# Altium PCB FIRE ARLARM_DEV.PcbDoc (part 1 of 2)
Units mil, origin at the board's own origin, x right, y up, seen from the top; angles counter-clockwise.
Board outline 3937.01 x 3937.01 mil, 2 copper layers (Top Layer, Bottom Layer); 111 components, 71 nets, 342 pads, 422 vias.
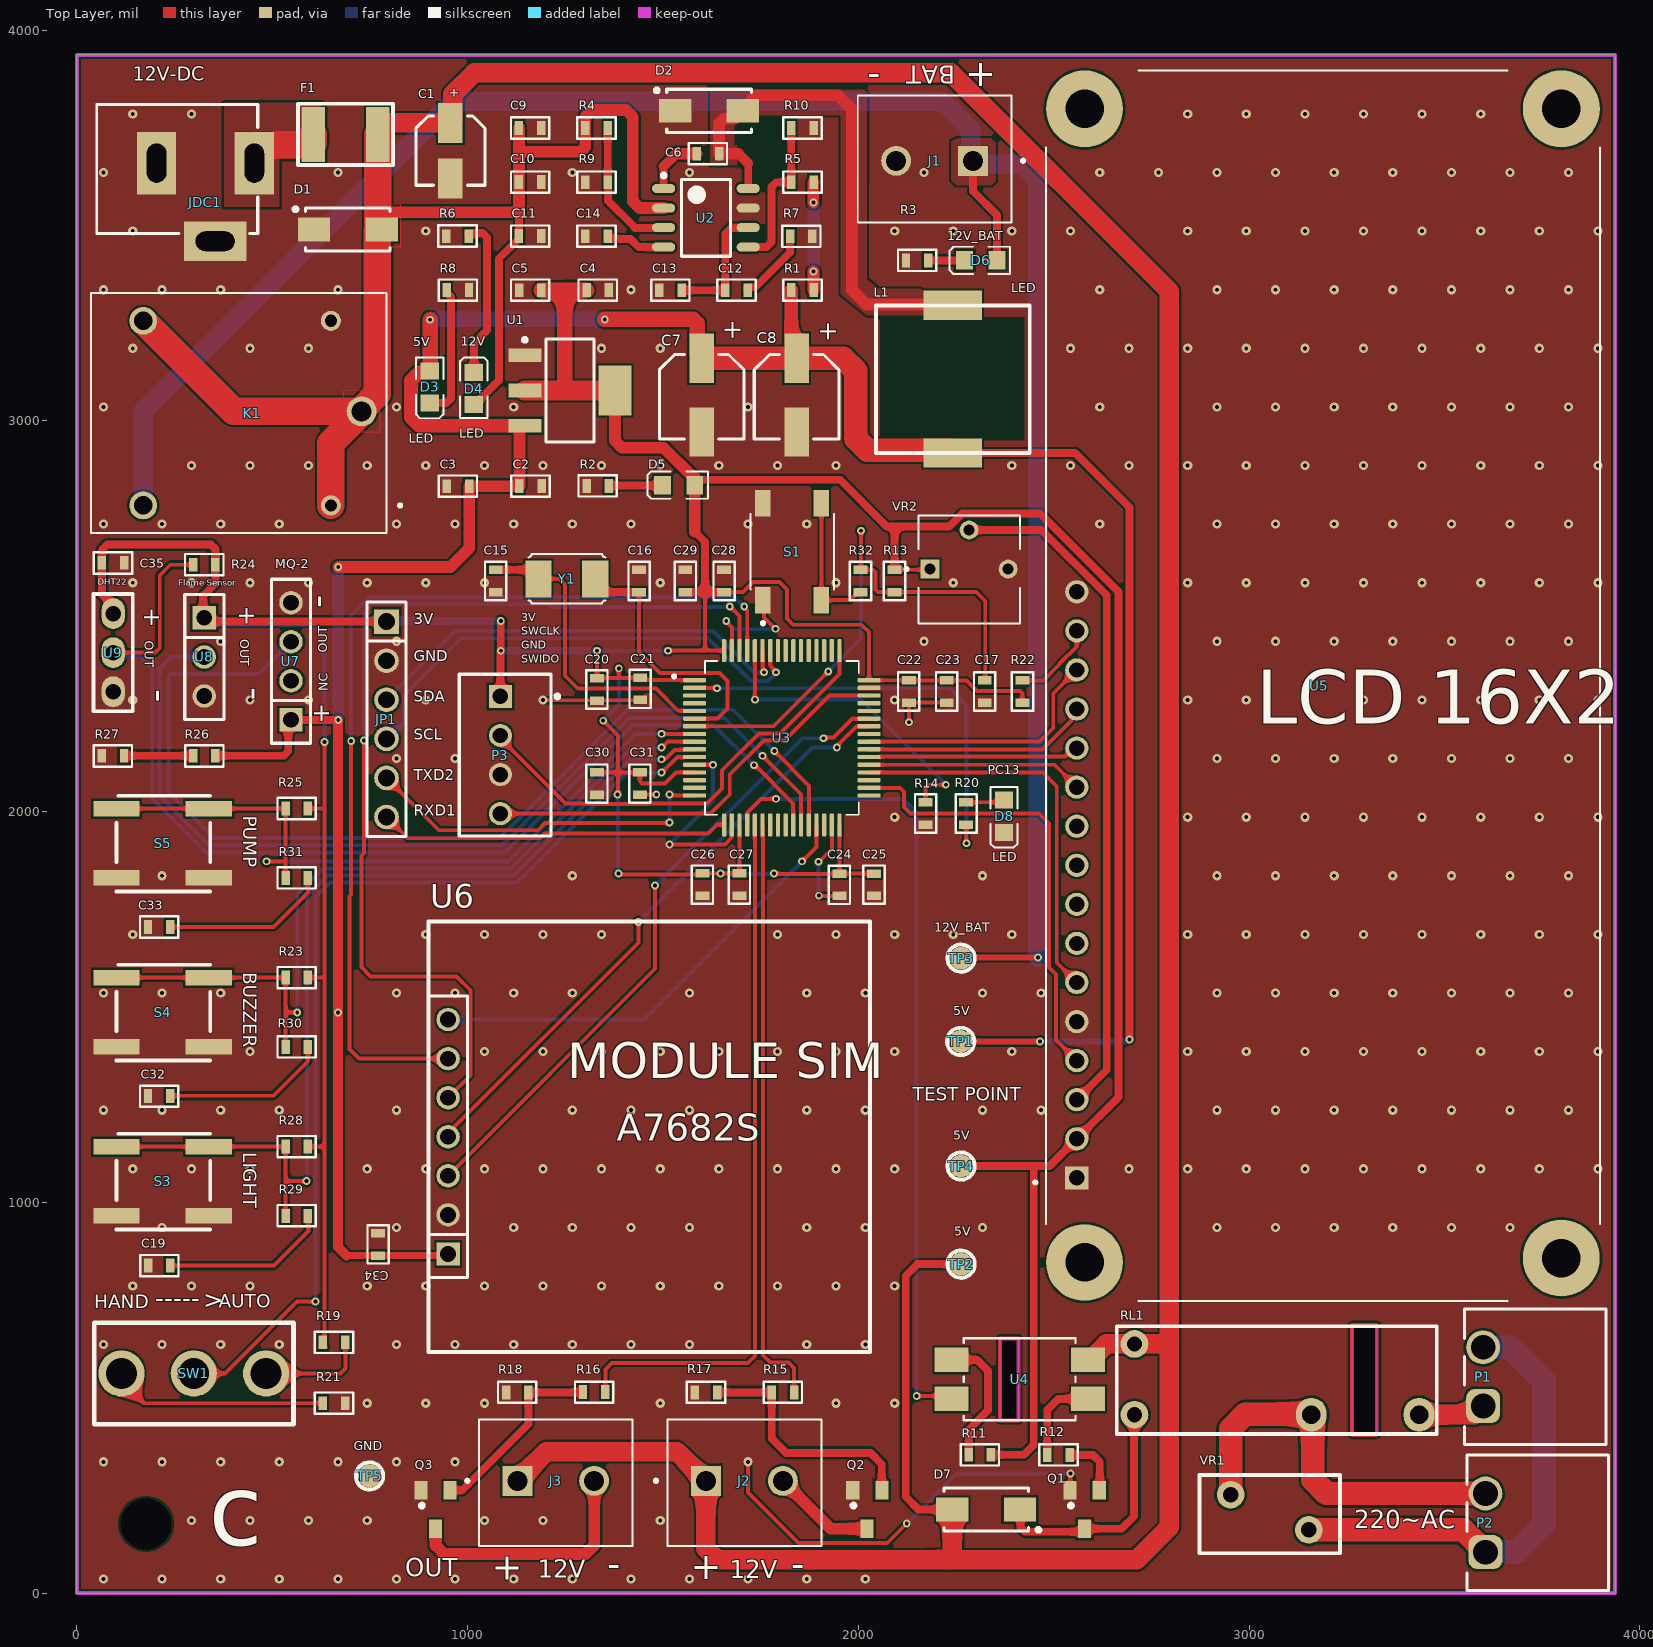
[diagram p0: Top Layer view]
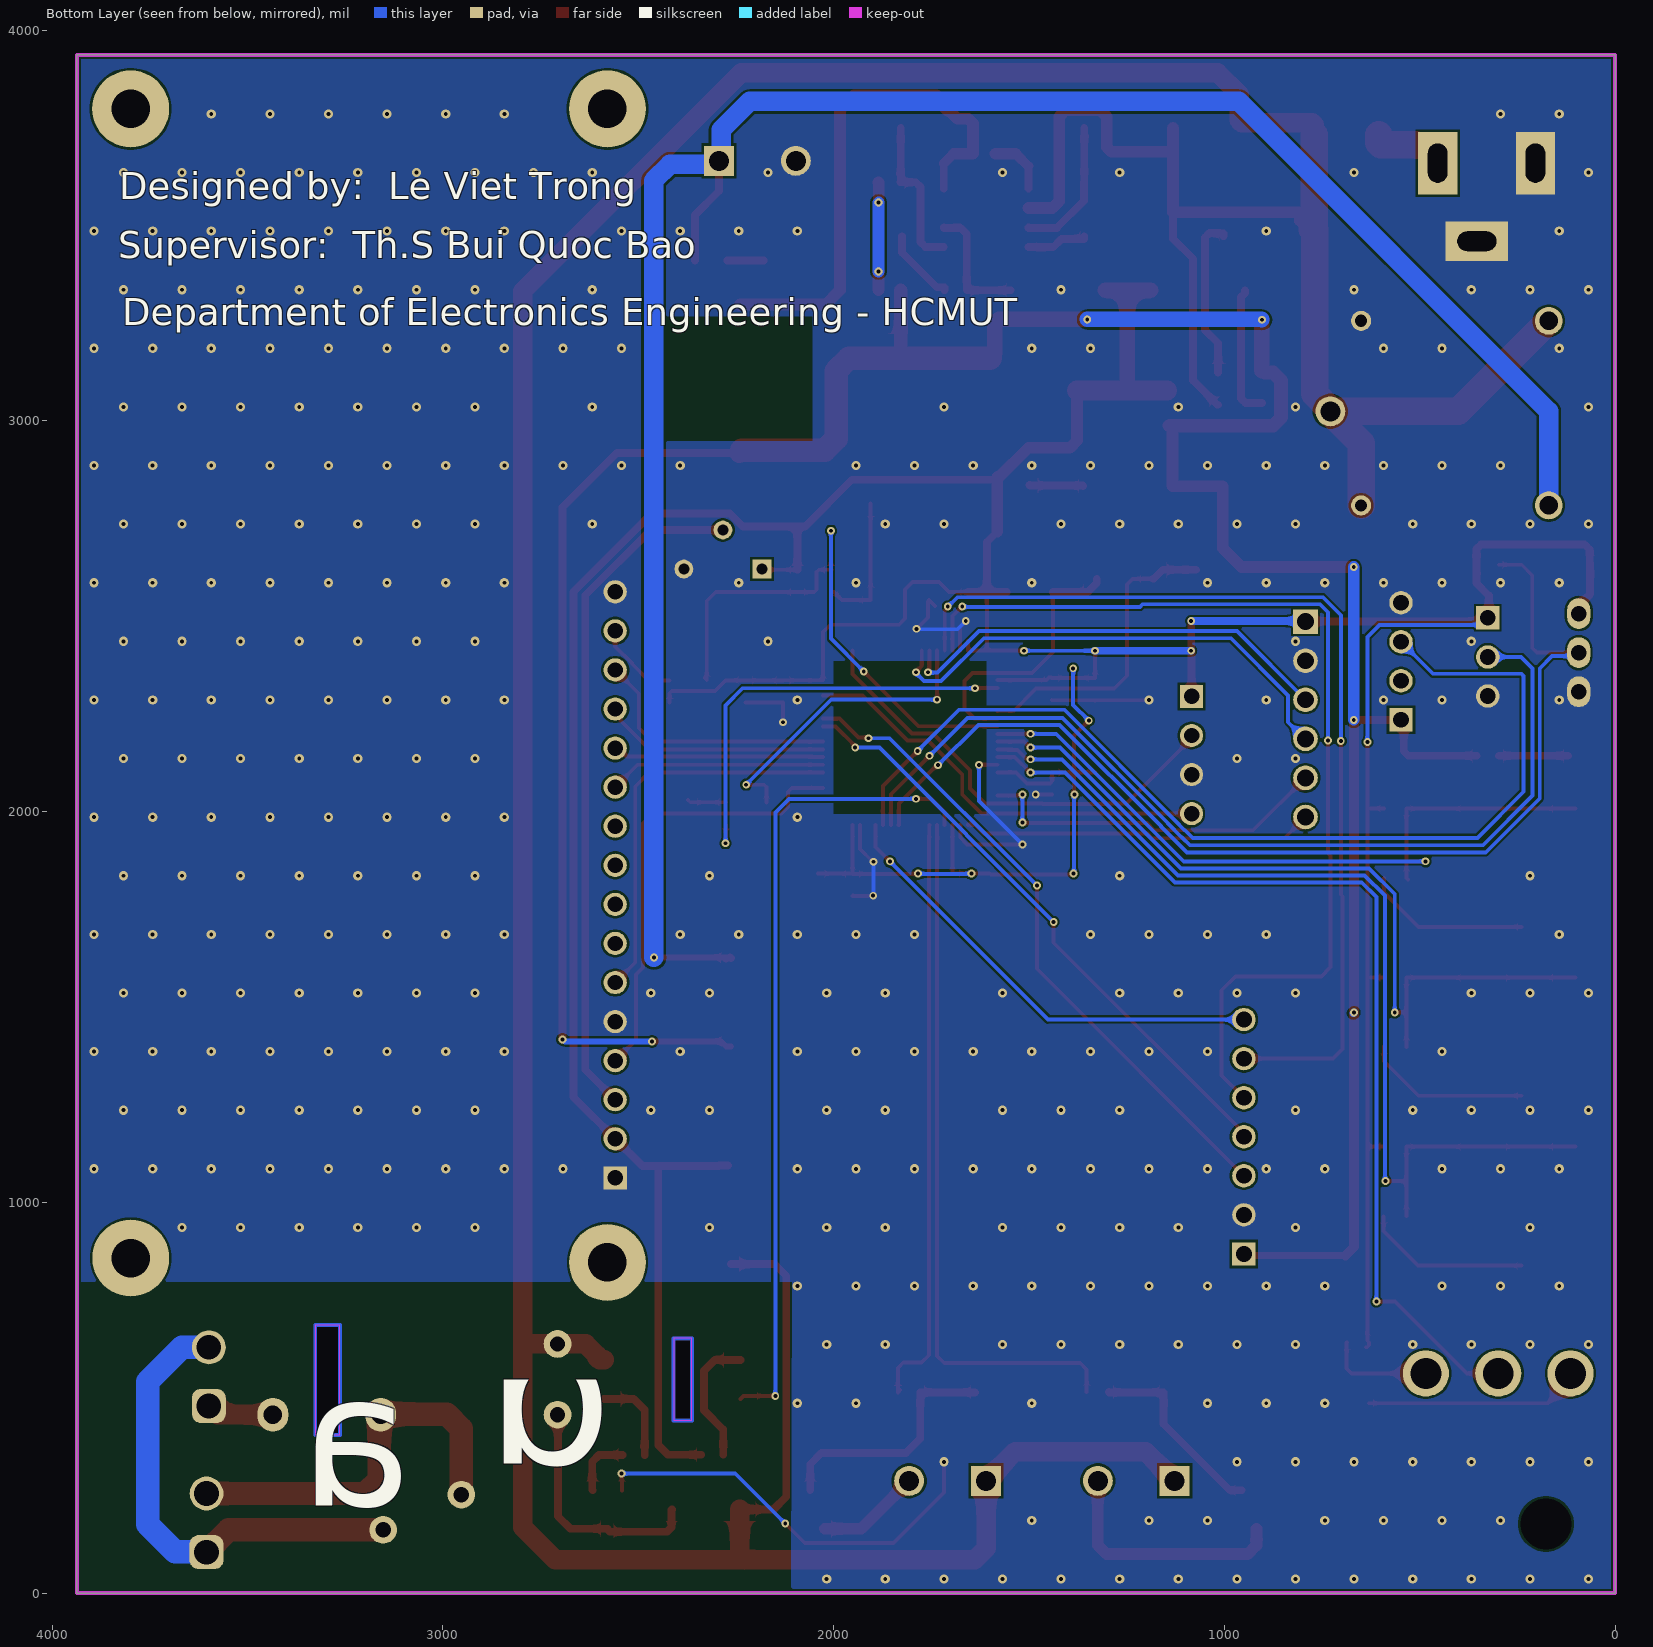
[diagram p1: Bottom Layer view, seen from below]

## Layer stack, top to bottom
Top Solder: solder mask 0.4, Solder Resist, Dk 3.5
Top Layer: signal copper 1.4
Dielectric 1: dielectric 12.6, FR-4, Dk 4.8
Bottom Layer: signal copper 1.4
Bottom Solder: solder mask 0.4, Solder Resist, Dk 3.5

## Board outline
0,0 0,3937.01 3937.01,3937.01 3937.01,0
cut-out: 2363,442 2363,652 2410,652 2410,442
cut-out: 3264,405 3264,686 3327,686 3327,405

## Design rules (kind name [scope] priority, off if disabled: settings)
Clearance [All] p1: gap=6 ignorepadtopadclearanceinfootprint=FALSE
PolygonConnect [InNet('GND')] p1: connectstyle=Direct reliefconductorwidth=10 reliefentries=4 polygonreliefangle="90 Angle" airgapwidth=10
RoutingVias [All] p1: holewidth=10 width=20 viastyle="Through Hole" minholewidth=10 minwidth=20 maxholewidth=10 maxwidth=20
SolderMaskExpansion [All] p1: expansion=4 istentingtop=FALSE
SupplyNets "Schematic Supply Nets_4" [InNet('+12V')] p1: voltage=0.000
SupplyNets "Schematic Supply Nets_3" [InNet('+3V3')] p2: voltage=0.000
SupplyNets "Schematic Supply Nets_2" [InNet('GND')] p3: voltage=0.000
SupplyNets "Schematic Supply Nets_1" [InNet('VBAT')] p4: voltage=0.000
SupplyNets "Schematic Supply Nets" [InNet('+5V')] p5: voltage=0.000
UnRoutedNet [All] p1: checkbadconnections=TRUE
Width [All] p1: maxlimit=80 minlimit=10 preferedwidth=20 minimp=50.000000 maximp=50.000000 favimp=50.000000
29 further rules are at their usual default settings.

## Classes and differential pairs
component class "[06] - STM": C15 C16 C17 C19 C20 C21 C22 C23 C24 C25 C26 C27 C28 C29 C30 C31 C32 C33 C34 C35 D7 D8 J2 J3 JP1 P1 P2 P3 Q1 Q2 Q3 R11 R12 R13 R14 R15 R16 R17 R18 R19 R20 R21 R22 R23 R24 R25 R26 R27 R28 R29 R30 R31 R32 RL1 S1 S3 S4 S5 SW1 U3 U4 U5 U6 U7 U8 U9 VR1 VR2 Y1
component class "[05] - POWER_SUPPY": C1 C2 C3 C4 C5 C6 C7 C8 C9 C10 C11 C12 C13 C14 D1 D2 D3 D4 D5 D6 F1 J1 JDC1 K1 L1 R1 R2 R3 R4 R5 R6 R7 R8 R9 R10 TP1 TP2 TP3 TP4 TP5 U1 U2

## Components (designator, comment, footprint, x,y, rotation, side; value= is the part's Value field where it differs from the comment)
C1 "47uF" WCAP-ASLI_D4H5.5 956,3692 r90 top
C2 "1uF" CAP_0603 1161.17,2833.56 r180 top
C3 "100nF" CAP_0603 975.21,2833 r0 top
C4 "1uF" CAP_0603 1333,3335 r180 top
C5 "100nF" CAP_0603 1160.21,3334.44 r0 top
C6 "100nF" CAP_0603 1615,3684 r0 top
C7 "47uF" WCAP-ASLI_D5H5.5 1599,3066 r90 top
C8 "47uF" WCAP-ASLI_D5H5.5 1842,3066 r90 top
C9 "10uF" CAP_0603 1160,3750 r180 top
C10 "10uF" CAP_0603 1160,3611.52 r180 top
C11 "10nF" CAP_0603 1160,3473.33 r180 top
C12 "1uF" CAP_0603 1688.11,3334.44 r0 top
C13 "47n" CAP_0603 1519,3334.44 r0 top
C14 "10nF" CAP_0603 1330.21,3472.77 r0 top
C15 "22pF" CAP_0603 1072,2590.67 r90 top
C16 "22pF" CAP_0603 1439,2590.46 r270 top
C17 "100nF" CAP_0603 2323.49,2307.54 r90 top
C19 "100nF" CAP_0603 210.76,838.44 r180 top
C20 "100nF" CAP_0603 1331,2313 r90 top
C21 "100nF" CAP_0603 1442,2314.54 r90 top
C22 "100nF" CAP_0603 2129.35,2307.54 r90 top
C23 "100nF" CAP_0603 2226.42,2307.54 r90 top
C24 "100nF" CAP_0603 1951.87,1813 r90 top
C25 "100nF" CAP_0603 2040,1813 r270 top
C26 "100nF" CAP_0603 1601,1813.46 r90 top
C27 "100nF" CAP_0603 1695.96,1813.46 r90 top
C28 "100nF" CAP_0603 1656.31,2590.46 r270 top
C29 "100nF" CAP_0603 1557,2590.46 r270 top
C30 "100nF" CAP_0603 1331,2071.92 r90 top
C31 "4.7uF" CAP_0603 1441,2071.92 r90 top
C32 "100nF" CAP_0603 210.54,1272 r180 top
C33 "100nF" CAP_0603 210.54,1705 r180 top
C34 "100nF" CAP_0603 771,892.54 r270 top
C35 "100nF" CAP_0603 92.46,2637 r180 top
D1 "D Schottky" SS34 693.37,3490 r0 top
D2 "D Schottky" SS34 1618,3794 r0 top
D3 "LED SMD" LED_0805_Blue 903,3087 r270 top
D4 "LED SMD" LED_0805_Blue 1016,3083 r90 top
D5 "LED SMD" LED_0805_Blue 1540,2836 r180 top
D6 "LED SMD" LED_0805_Blue 2313.66,3411 r180 top
D7 "SS210" SS34 2327.15,214 r180 top
D8 "LED SMD" LED_0805_Blue 2372.9,1988.56 r270 top
F1 "12V 2.5A" Fuse_SMD_1812 688,3733 r0 top
J1 "Domino" PHOENIX_1935161 2392.28,3833.32 r180 top
J2 "Buzzer" PHOENIX_1935161 1511.57,120.11 r0 top
J3 "Warning Light" PHOENIX_1935161 1028.72,120.11 r0 top
JDC1 "Jack DC" DC-IN 329,3560 r0 top value="Jac DC"
JP1 "JP 1x6 2.54" "JP 1X6 DT" 792.38,2486.43 r270 top
K1 "SRD-12VDC-SL-C" RELAY_SRD-12VDC-SL-C 410,3020 r180 top
L1 "10uH, 5.6A" WE-PD2A_5848 2242,3296 r270 top
P1 "691322310002" 691322310002 3733,554 r90 top
P2 "691322310002" 691322310002 3739,180 r90 top
P3 "Header 1" 61900411121 1095.81,2145 r90 top
Q1 "MMBTA42" SOT23B 2579.25,214 r180 top
Q2 "BC817" SOT23B 2022.79,214 r180 top
Q3 "BC817" SOT23B 918,214 r180 top
R1 "0" resistor_0603 1857,3335 r180 top
R2 "2.5k" resistor_0603 1333,2833.56 r0 top
R3 "5.6k" resistor_0603 2150.66,3411 r0 top
R4 "100k" resistor_0603 1330,3750 r180 top
R5 "8.2k" resistor_0603 1857.21,3611.11 r0 top
R6 "5.6k" resistor_0603 974,3473 r0 top
R7 "30k" resistor_0603 1854,3473 r180 top
R8 "5.6k" resistor_0603 975,3335 r180 top
R9 "20k" resistor_0603 1330.21,3611.11 r0 top
R10 "1.6k" resistor_0603 1857,3750 r180 top
R11 "220" resistor_0603 2311,354 r180 top
R12 "2.2k" resistor_0603 2512.33,353.44 r0 top
R13 "10k" resistor_0603 2093,2590.67 r90 top
R14 "10k" resistor_0603 2172,1995.17 r270 top
R15 "75" resistor_0603 1806.96,513.81 r0 top
R16 "1.2k" resistor_0603 1323.89,514.37 r180 top
R17 "10k" resistor_0603 1610.11,513.81 r0 top
R18 "10k" resistor_0603 1127,513.81 r0 top
R19 "10k" resistor_0603 658,642 r180 top
R20 "1.5k" resistor_0603 2276,1995.17 r270 top
R21 "1k" resistor_0603 658,486 r0 top
R22 "330" resistor_0603 2420,2307.33 r270 top
R23 "10k" resistor_0603 562.54,1575.67 r180 top
R24 "4.7k" resistor_0603 326.11,2632 r0 top
R25 "10k" resistor_0603 562.54,2008.28 r180 top
R26 "1k" resistor_0603 326,2143 r180 top
R27 "2k" resistor_0603 92,2143 r180 top
R28 "10k" resistor_0603 562.54,1143.06 r180 top
R29 "220" resistor_0603 562.76,965.61 r0 top
R30 "220" resistor_0603 562.76,1397.94 r0 top
R31 "220" resistor_0603 562.76,1830.55 r0 top
R32 "220" resistor_0603 2006,2590.67 r90 top
RL1 "HF46F" HF46F 3071,557 r0 top
S1 "Button SMD" BUTTON 1830.71,2665.35 r90 top
S3 "Tactile_Switch_6x6" Tactile_Switch_6x6 101.43,965.61 r0 top
S4 "Tactile_Switch_6x6" Tactile_Switch_6x6 101.43,1398.22 r0 top
S5 "Tactile_Switch_6x6" Tactile_Switch_6x6 101.43,1830.83 r0 top
SW1 "SS-12D10" "Slide Switch" 299.28,562.2 r180 top
TP1 "Test_Point" TP_2MM 2262,1412 r180 top
TP2 "Test_Point" TP_2MM 2263,842 r180 top
TP3 "Test_Point" TP_2MM 2263,1625 r180 top
TP4 "Test_Point" TP_2MM 2263,1093 r180 top
TP5 "Test_Point" TP_2MM 749,300 r180 top
U1 "AMS1117-3.3V" "AMS1117-3.3V SOT223" 1262,3078 r0 top
U2 "TPS54231D" SOIC8 1610,3520 r0 top
U3 "STM32F103RCT6" QFP50P1200X1200X160-64N 1804.23,2189.05 r0 top
U4 "PC817X2NIPW" PC817XI_SHP 2413,547 r0 top
U5 "LCD2X16" 16X2_LCD_NEW 3179.39,2322.62 r90 top
U6 "Module sim" MODULESIM_NEW 950,1168 r270 top
U7 "MQ-2 Module" JP4-C1T 548,2235 r90 top
U8 "FlameSensor_Module" JP3-C1T 326,2496 r270 top
U9 "DHT22_Module" DHT11_Module 93,2507 r180 top
VR1 "Varistor" 07D471K 3173,222 r180 top
VR2 "10k" TRIM_3362P-1-503 2283.46,2621 r0 top
Y1 "5032/2P" OSCCC500X320X135 1254,2596 r0 top

## Footprints (in the part's own frame and the unit in brackets; to place one, negate y for a bottom-side part, rotate by r counter-clockwise, add the part's x,y. Pads: shape width x height; smd on the part's side, far side on the other; paste and mask are expansions set on the pad)
07D471K [mm] "Varistor 07D471K 470V"
  round 1.8 hole 1: 1(0.508,1.524) 2(5.588,-0.762)
  silkscreen extent -1.52,-2.03 7.62,3.05, body extent -1.45,-1.99 7.55,3.01, height 12.5
16X2_LCD_NEW [mm] "HEADER"
  rect 1.508x1.508 / inner round 1.508 / far side rect 1.508x1.508 hole 1: 1(-32,15.75)
  round 1.508 hole 1: 2(-29.46,15.75) 3(-26.92,15.75) 4(-24.38,15.75) 5(-21.84,15.75) 6(-19.3,15.75) 7(-16.76,15.75) 8(-14.22,15.75) 9(-11.68,15.75) 10(-9.14,15.75) 11(-6.6,15.75) 12(-4.06,15.75) 13(-1.52,15.75) 14(1.02,15.75) 15(3.56,15.75) 16(6.1,15.75)
  round 5 hole 2.5: S1(-37.5,15.25) S2(37.5,15.25) S3(37.5,-15.75) S4(-37.211,-15.744)
  silkscreen extent -40,-18.25 40,18.55, body extent -40.25,-18.79 40,18.14, height 16.8
61900411121 [mm]
  rect 1.5x1.5 hole 1: 1(3.81,0.3)
  round 1.5 hole 1: 2(1.27,0.3) 3(-1.27,0.3) 4(-3.81,0.3)
  silkscreen extent -5.25,-3.52 5.25,2.98, body extent -5.08,-2.9 5.08,2.9, height 11.53
691322310002 [mm] "Horizontal PCB Header, pitch 3.81mm, 02p"
  rrect50% 2.2x2.2 hole 1.6: 1(-1.905,3.4)
  round 2.2 hole 1.6: 2(1.905,3.4)
  silkscreen extent -4.4,-4.6 4.41,4.6, body extent -4.4,-4.6 4.41,4.6, height 7.25
"AMS1117-3.3V SOT223" [mm] "SOT223, 4-Leads, Body 6.51x7.00mm, Pitch 2.29mm"
  rect 2.15x0.9 smd: 1(-2.93,2.29) 2(-2.93,0) 3(-2.93,-2.29)
  rect 2.15x3.25 smd: 4(2.93,0)
  silkscreen extent -3.05,-3.35 1.55,3.41, body extent -3.5,-3.35 3.5,3.35, height 1.8
BUTTON [mm] "Loai 1"
  rect 1.7x1 smd: 1(-3.15,1.9) 2(3.15,1.9) 3(-3.15,-1.9) 4(3.15,-1.9)
  silkscreen extent -4.75,-2.72 2.45,2.72, body extent -3.25,-2.54 3.25,2.54, height 1.52
CAP_0603 [mm]
  rect 0.55x0.9 smd: 1(-0.725,0) 2(0.725,0)
  silkscreen extent -1.25,-0.69 1.24,0.7, body extent -0.8,-0.45 0.8,0.45, height 0.5
DC-IN [mil]
  rect 100x160 hole 50 slot 100 at 90 deg: 1(125,100) 2(-125,100)
  rect 160x100 hole 50 slot 100 at 0 deg: 3(25,-100)
  silkscreen extent -278,-80 134,250, body extent -410,-105 134,269, height 434
DHT11_Module [mm]
  oval 1.5x2 hole 1: 1(0,0) 2(0,2.54) 3(0,5.08)
  silkscreen extent -1.27,-1.27 1.27,6.35, body extent -1.3,-1.26 1.2,6.86, height 5
Fuse_SMD_1812 [mil] "Fuse SMD, size 1812"
  rect 60x140 smd: 0(-83.41,0) 1(82,0)
  silkscreen extent -122,-78 121,79, body extent -93,-67 93,67, height 18
HF46F [mm]
  round 1.8 hole 1: 1(-9.25,2.05) 2(-9.25,-2.55)
  oval 2x2.2 hole 1.2: 3(2.25,-2.55) 4(9.25,-2.55)
  silkscreen extent -10.4,-3.8 10.4,3.2, body extent -9.82,-3.94 10.58,3.06, height 14.79
JP3-C1T [mm] "3 row, straight, gold plating"
  rect 1.52x1.52 hole 1.02: 1(0,0)
  round 1.52 hole 1.02: 2(2.54,0) 3(5.08,0)
  silkscreen extent -1.52,-1.27 6.6,1.27, body extent -1.52,-1.27 6.6,1.23, height 5
JP4-C1T [mm] "4 row, straight, gold plating"
  rect 1.52x1.52 hole 1.02: 1(0,0)
  round 1.52 hole 1.02: 2(2.54,0) 3(5.08,0) 4(7.62,0)
  silkscreen extent -1.52,-1.27 9.14,1.27, body extent -1.52,-1.27 9.14,1.23, height 5
"JP 1X6 DT" [mm] "6 pins, 1 row, straight, gold plating"
  rect 1.6x1.6 hole 1.1: 1(0,0)
  round 1.6 hole 1.1: 2(2.54,0) 3(5.08,0) 4(7.62,0) 5(10.16,0) 6(12.7,0)
  silkscreen extent -1.27,-1.27 13.97,1.27, body extent -1.27,-1.27 13.97,1.27, height 8.54
LED_0805_Blue [mm]
  rect 1.1x1.2 smd: 1(-1.05,0) 2(1.05,0)
  silkscreen extent -1.91,-0.89 2.03,0.89, body extent -1,-0.63 1,0.62, height 0.68
MODULESIM_NEW [mm]
  rect 1.52x1.52 hole 1.02: 1(7.62,0)
  round 1.52 hole 1.02: 2(5.08,0) 3(2.54,0) 4(0,0) 5(-2.54,0) 6(-5.08,0) 7(-7.62,0)
  silkscreen extent -14,-1.27 14,27.43, body extent -9.14,-1.25 9.14,1.25, height 8.51
OSCCC500X320X135 [mm]
  rect 1.7x2.4 smd: 1(-1.85,0) 2(1.85,0)
  silkscreen extent -2.5,-1.6 2.5,1.6, body extent -2.5,-1.6 2.5,1.6, height 0.8
PC817XI_SHP [mm]
  rect 2.2x1.6 smd paste+0 mask+0: 1(-4.432,1.27) 2(-4.432,-1.27) 3(4.432,-1.27) 4(4.432,1.27)
  silkscreen extent -3.63,-2.67 3.63,2.67, body extent -5,-2.54 5,2.54, height 4.6
PHOENIX_1935161 [mm]
  rect 1.95x1.95 / inner round 1.95 / far side rect 1.95x1.95 hole 1.3: 1(2.5,4.25)
  round 1.95 hole 1.3: 2(7.5,4.25)
  silkscreen extent -0.85,0 10,8.25, body extent -0.1,-0.75 10.57,8.25, height 11.55
QFP50P1200X1200X160-64N [mm]
  rrect50% 1.49x0.28 smd: 1(-5.67,3.75) 2(-5.67,3.25) 3(-5.67,2.75) 4(-5.67,2.25) 5(-5.67,1.75) 6(-5.67,1.25) 7(-5.67,0.75) 8(-5.67,0.25) 9(-5.67,-0.25) 10(-5.67,-0.75) 11(-5.67,-1.25) 12(-5.67,-1.75) 13(-5.67,-2.25) 14(-5.67,-2.75) 15(-5.67,-3.25) 16(-5.67,-3.75) 33(5.67,-3.75) 34(5.67,-3.25) 35(5.67,-2.75) 36(5.67,-2.25) 37(5.67,-1.75) 38(5.67,-1.25) 39(5.67,-0.75) 40(5.67,-0.25) 41(5.67,0.25) 42(5.67,0.75) 43(5.67,1.25) 44(5.67,1.75) 45(5.67,2.25) 46(5.67,2.75) 47(5.67,3.25) 48(5.67,3.75)
  rrect50% 0.28x1.49 smd: 17(-3.75,-5.67) 18(-3.25,-5.67) 19(-2.75,-5.67) 20(-2.25,-5.67) 21(-1.75,-5.67) 22(-1.25,-5.67) 23(-0.75,-5.67) 24(-0.25,-5.67) 25(0.25,-5.67) 26(0.75,-5.67) 27(1.25,-5.67) 28(1.75,-5.67) 29(2.25,-5.67) 30(2.75,-5.67) 31(3.25,-5.67) 32(3.75,-5.67) 49(3.75,5.67) 50(3.25,5.67) 51(2.75,5.67) 52(2.25,5.67) 53(1.75,5.67) 54(1.25,5.67) 55(0.75,5.67) 56(0.25,5.67) 57(-0.25,5.67) 58(-0.75,5.67) 59(-1.25,5.67) 60(-1.75,5.67) 61(-2.25,5.67) 62(-2.75,5.67) 63(-3.25,5.67) 64(-3.75,5.67)
  silkscreen extent -7.1,-5 5,5, body extent -6,-6 6,6, height 1.59
RELAY_SRD-12VDC-SL-C [mm]
  round 1.308 hole 0.8: COIL1(-6.1,6) COIL2(-6.1,-6)
  round 1.95 hole 1.3: COM(-8.1,-0.12)
  round 1.8 hole 1.2: NC(6.1,6) NO(6.1,-6)
  silkscreen extent -10.7,-7.8 9.5,7.8, body extent -9.6,-7.8 9.6,7.8, height 15.8
resistor_0603 [mm]
  rect 0.55x0.9 smd: 1(-0.725,0) 2(0.725,0)
  silkscreen extent -1.25,-0.69 1.24,0.7, body extent -0.8,-0.45 0.8,0.45, height 0.5
"Slide Switch" [mm] "SWITCH SS-12D10"
  round 3 hole 2 mask+0.1: 1(-4.7,0) 2(0,0) 3(4.7,0)
  silkscreen extent -6.48,-3.3 6.48,3.3, body extent -6.5,-3.4 6.5,3.4, height 10.6
SOIC8 [mm]
  oval 1.5x0.6 smd: 1(-2.75,1.905) 2(-2.75,0.635) 3(-2.75,-0.635) 4(-2.75,-1.905) 5(2.75,-1.905) 6(2.75,-0.635) 7(2.75,0.635) 8(2.75,1.905)
  silkscreen extent -2.87,-2.5 1.6,2.88, body extent -3.01,-2.5 3.01,2.5, height 1.75
SOT23B [mm]
  rect 0.85x1.2 smd: 1(0.94,-1.245) 2(0,1.25) 3(-0.95,-1.25)
  silkscreen extent 0.77,-0.38 1.02,-0.13, body extent -1.5,-1.3 1.5,1.2, height 1.06
SS34 [mm]
  rect 2.1x1.55 smd: 1(-2.2,0) 2(2.2,0)
  silkscreen extent -3.52,-1.4 2.75,1.45, body extent -2.75,-1.42 2.75,1.38, height 2.3
Tactile_Switch_6x6 [mm]
  rect 3x1 smd: 1(0,4.5) 2(6,4.5) 3(6,0) 4(0,0)
  silkscreen extent 0,-0.89 6.1,5.33, body extent -0.95,-0.84 7.05,5.16, height 6
TP_2MM [mm] "Test point, 2mm."
  round 1.5 smd: 1(0,0)
  silkscreen extent -0.89,-0.89 0.89,0.89
TRIM_3362P-1-503 [mil]
  rect 48.11x48.11 hole 28.11: 1(-100,0)
  round 48.11 hole 28.11: 2(0,100) 3(100,0)
  silkscreen extent -164,-139 130,137, body extent -130,-138 130,138, height 192
WCAP-ASLI_D4H5.5 [mm] "Aluminium Electrolytic V-Chip SMT Capacitors, 4x5.5mm"
  rect 2.6x1.6 smd: 1(1.8,0) 2(-1.8,0)
  silkscreen extent -2.25,-2.25 2.25,2.25, body extent -2.5,-2.15 2.5,2.15, height 5.5
WCAP-ASLI_D5H5.5 [mm] "Aluminium Electrolytic V-Chip SMT Capacitors, 5x5.5mm"
  rect 3.2x1.6 smd: 1(2.4,0) 2(-2.4,0)
  silkscreen extent -2.85,-2.75 2.65,2.75, body extent -3,-2.7 3,2.6, height 5.5
WE-PD2A_5848 [mm] "SMD Power Inductor, body 5.8x5.2mm"
  rect 1.9x3.8 smd: 1(0,0) 2(9.6,0)
  silkscreen extent 0,-5 9.6,5, body extent -0.17,-4.25 9.83,4.75, height 5.44

## Part data
C1: library part 865080340003, "V-Chip, D4 x H5.5mm, 22uF, 16V", Capacitance=22uF, Capacitance Tolerance=+/-20%, Leakage Current=3.52uA, Operating Temperature Max=105°C, Operating Temperature Min=-55°C, Rated Voltage (DC)=16V, Ripple Current=90mA, Category="Aluminum Electrolytic Capacitors", ComponentLink2Description="Datasheet Link", ComponentLink2URL=https://www.we-online.com/redexpert/spec/865080340003?ad, Diameter=4mm, Dissipation Factor=16%, Endurance=2000h, Height=5.5mm, Mount="Surface Mount", Packaging="Tape and Reel", Supply 1 Name=Mouser, Supply 1 SN=710-865080340003, Supply 1 URL=https://www.mouser.com/ProductDetail/Wurth-Elektronik/865080340003?qs=0KOYDY2FL2%252BowmC4S50IuQ%3D%3D, Supply 2 Name=thegioiic, Supply 2 URL=https://www.thegioiic.com/tu-nhom-smd-22uf-16v-4x5-4mm
C2 C4 C12: library part 01060310510, "CAP, size 0603, 1uF", Capacitance Tolerance=+/-10%, Operating Temperature="-55 to +125degC", Capacitance=1uF, ComponentLink1Description=Manufacturer, ComponentLink1URL=http://www.we-online.de, ComponentLink2Description=Datasheet, ComponentLink2URL=https://www.we-online.com/components/products/datasheet/885012206126.pdf, Mounting Technology=SMT, Packaging="Tape and Reel", Size=0603, Supply 1 Name="Wurth Elektronik", Supply 1 SN=885012206126, Supply 1 URL=https://www.we-online.com/en/components/products/WCAP-CSGP-50VDC?sq=885012206126#885012206126, Supply 2 Name=Thegioiic, Supply 2 URL=https://www.thegioiic.com/tu-gom-0603-1uf-50v
C3 C5 C6 C17 C19 C20 C21 C22 C23 C24 C25 C26 C27 C28 C29 C30 C32 C33 C34 C35: library part 01060310410, "CAP, size 0603, 100nF", Capacitance Tolerance=+/-10%, Operating Temperature="-55 to +125degC", Capacitance=100nF, ComponentLink1Description=Manufacturer, ComponentLink1URL=http://www.we-online.de, ComponentLink2Description=Datasheet, ComponentLink2URL=https://www.we-online.com/catalog/datasheet/885012206095.pdf, Mounting Technology=SMT, Packaging="Tape and Reel", Size=0603, Supply 1 Name="Wurth Elektronik", Supply 1 SN=885012206095, Supply 1 URL=https://www.we-online.com/en/components/products/WCAP-CSGP-50VDC?sq=885012206095R#885012206095R, Supply 2 Name=Thegioiic, Supply 2 URL=https://www.thegioiic.com/tu-gom-0603-100nf-0-1uf-50v
C7 C8: library part "Tụ nhôm SMD", "V-Chip, D5 x H5.5mm, 47uF, 16V", Capacitance Tolerance=+/-20%, Leakage Current=7.52uA, Operating Temperature Max=105°C, Operating Temperature Min=-55°C, Rated Voltage (DC)=16V, Ripple Current=195mA, Capacitance=47uF, Category="Aluminum Electrolytic Capacitors", ComponentLink2Description="Datasheet Link", ComponentLink2URL=https://www.we-online.com/redexpert/spec/865080342006?ad, Diameter=5mm, Dissipation Factor=16%, Endurance=2000h, Height=5.5mm, Mount="Surface Mount", Packaging="Tape and Reel", Supply 1 Name=Mouser, Supply 1 SN=710-865080262015, Supply 1 URL=https://www.mouser.com/ProductDetail/Wurth-Elektronik/865080262015?qs=0KOYDY2FL2%2Ffe5w2MssUoQ%3D%3D, Supply 2 Name=thegioiic, Supply 2 URL=https://www.thegioiic.com/tu-nhom-smd-47uf-16v-5x5-4mm
C9 C10: library part 01060310010, "CAP, size 0603,10uF", Capacitance Tolerance=+/-10%, Operating Temperature="-55 to +125degC", Capacitance=10uF, ComponentLink1Description=Manufacturer, ComponentLink2Description=Datasheet, Mounting Technology=SMT, Packaging="Tape and Reel", Size=0603, Supply 2 Name=Thegioiic, Supply 2 URL=https://www.thegioiic.com/tu-gom-0603-10uf-16v